# Altium PCB wulpus_pro_acq.PcbDoc (part 2 of 3) (continued)
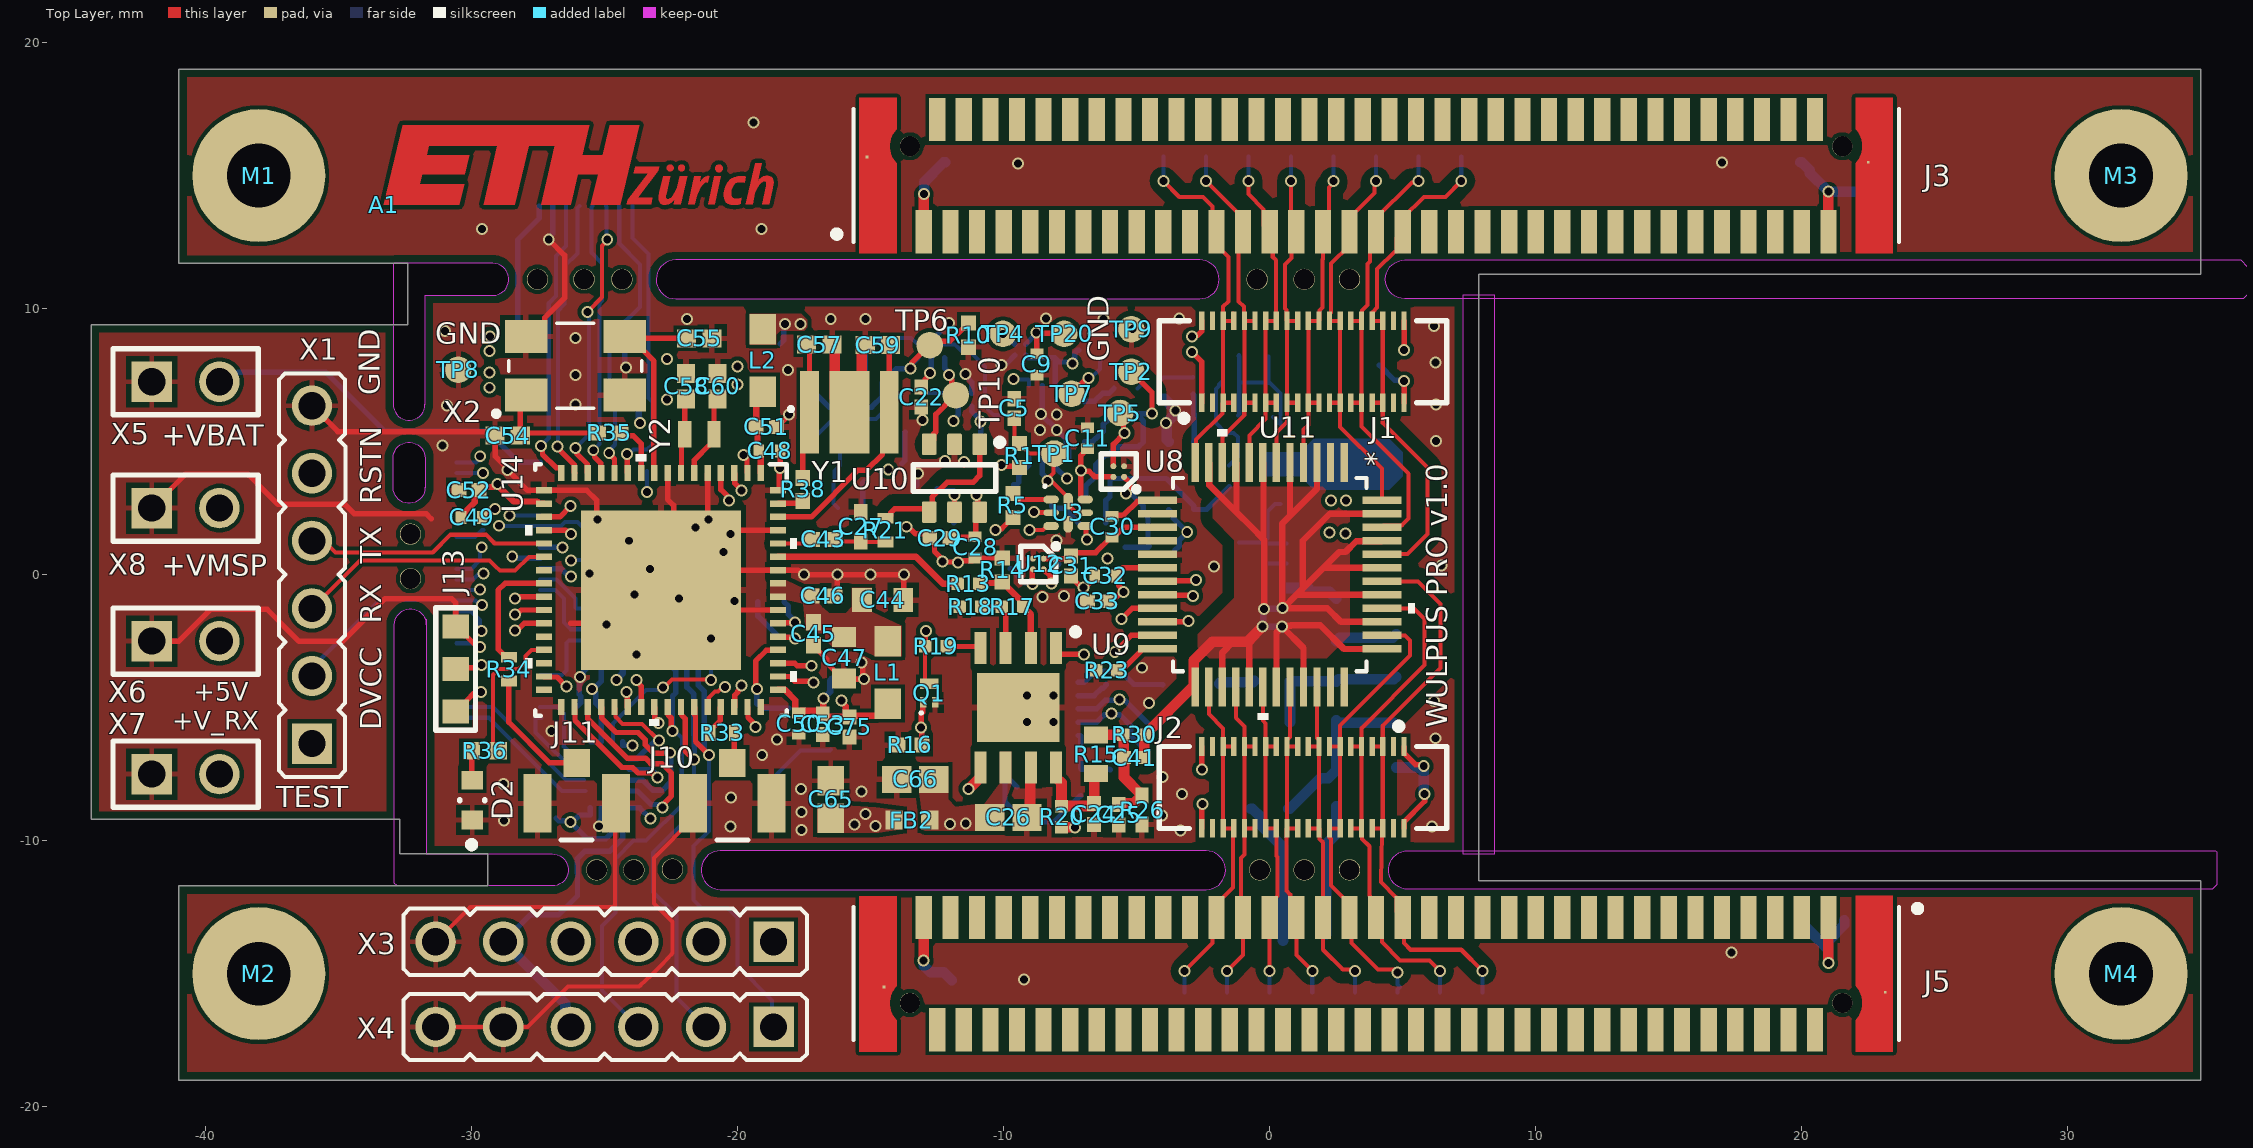
[diagram p0: Top Layer view]
## Nets (pads, with @x,y where several pads share a name; then routed paths per layer and width w, separated by ;. In a path a pad name is that pad's centre, name@x,y a point inside that pad or via, vN(x,y) a via of type N, cw(c..) or ccw(c..) an arc to the next point about the centre after c; other vN are vias at no path point) (continued)
  Top Layer w0.4: v1(-13.008,-14.508) -13,-14.5 J5.35@-13,-12.89 ; J3.1@-13,12.89 v1(-13,14.3) ; v1(21,-14.6) J5.1@21,-12.89 ; J3.35@21,12.89 v1(21,14.4)
  Layer 4 w0.4: v1(-13.008,-14.508) -7.852,-14.508 -6.343,-13 -0.2,-13 0.5,-12.3 0.5,-9.6 -0.475,-8.625 v1(-2.525,-8.625) ; v1(-13,14.3) -6.9,14.3 -5.6,13 -0.5,13 0.5,12 0.5,9.8 -0.35,8.95 v1(-2.925,8.95) ; v1(5.05,8.45) 4.228,9.272 2.962,9.272 2.15,10.084 2.15,12.15 3,13 14.4,13 15.8,14.4 v1(21,14.4) ; v1(5.825,-8.25) 3.25,-8.25 2.15,-9.35 2.15,-12.15 3,-13 13.875,-13 15.75,-14.875 20.725,-14.875 v1(21,-14.6)
  Bottom Layer w0.203: TP13.1@4.125,7.875 4.694,7.306 5.019,7.306 v1(5.05,7.275)
  Bottom Layer w0.4: v1(-13.008,-14.508) -12.999,-14.518 -12.999,-14.697 -12.749,-14.947 -12.254,-14.947 C36.1@-11.951,-15.25 ; v1(-13,14.3) -12.99,14.31 -12.99,14.76 -12.25,15.5 C35.1@-12.201,15.5 ; J7.2@4.75,-7.25 5.726,-7.25 5.776,-7.2 v1(5.79,-7.2) 5.79,-8.201 5.825,-8.236 v1(5.825,-8.25) ; C37.1@19.926,-13.075 19.975,-13.075 20.99,-14.09 ; C34.1@19.951,15.5 20,15.5 20.303,15.197 20.303,15.097 v1@20.99,14.41 ; v1(21,-14.6) 20.99,-14.59 20.99,-14.09 ; v1(21,14.4) 21.01,14.39 22.41,14.39 TP17.1@22.5,14.3 ; TP16.1@21.6,-13 21.6,-13.162 20.99,-13.772 20.99,-14.09
BSL_UART_RX: U14.22 X1.3 | length 9.8
  Top Layer w0.152: X1.3@-36,-1.27 -34.195,0.535 -29.322,0.535 -29.099,0.312 -28.937,0.15 -28.366,0.15 -27.846,0.67 U14.22@-27.28,0.67
BSL_UART_TX: U14.21 X1.4 | length 9.3
  Top Layer w0.152: X1.4@-36,1.27 -35.738,1.008 -35.283,1.008 -35.114,0.84 -31.46,0.84 -30.8,1.5 -29.451,1.5 -29.167,1.216 -29.167,1.199 -29.139,1.17 U14.21@-27.28,1.17
BUF_OUT: R21.1 U10.1 U10.4 | length 5.6
  Top Layer w0.203: R21.1@-14.45,2.125 -14.35,2.125 -14.252,2.223 -14.252,2.323 -14.1,2.475 -12.8,2.475 -12.689,2.586 -12.689,2.91 -12.119,3.48 -11.14,3.48 -10.9,3.72 U10.1@-10.9,4.9
CH0_IN: C43.2 U14.60 | length 1.3
  Top Layer w0.152: U14.60@-18.48,1.17 -17.358,1.17 C43.2@-17.204,1.325
CH0_OUT: R13.1 U14.59 | length 7.2
  Top Layer w0.24: U14.59@-18.48,0.67 -13.295,0.67 -12.281,-0.344 -11.733,-0.344 R13.1@-11.727,-0.35
CH1_OUT: R32.1 U14.54 | length 1.6
  Top Layer w0.203: U14.54@-18.48,-1.83 -18.465,-1.815 -17.865,-1.815 v1(-17.85,-1.8)
  Bottom Layer w0.203: R32.1@-18.25,-1.025 -18.092,-1.183 -18.092,-1.491 -17.85,-1.733 v1(-17.85,-1.8)
CH_0: J1.5 J1.6 J1.7 J1.8 J3.12 J4.1 U11.12 | length 14.6
  Top Layer w0.152: v1(-4,14.8) -3.4,14.2 -2.5,14.2 -2.144,13.844 -2.144,12.524 -1.552,11.932 -1.552,10.273 -1.75,10.075 J1.6@-1.75,9.54 ; U11.12@-2.794,4.216 -2.763,4.247 -2.763,5.075 -1.774,6.064 -1.774,6.436 J1.5@-1.75,6.46 ; J1.8@-1.374,9.814 -1.35,9.79 J1.8@-1.35,9.54 J1.6@-1.75,9.54 ; J1.7@-1.35,6.46 J1.5@-1.75,6.46 ; J1.5@-1.75,6.46 J1.6@-1.75,9.54
  Bottom Layer w0.152: v1(-4,14.8) J4.1@-4,15.714
CH_1: J1.9 J1.10 J1.11 J1.12 J3.13 J4.3 U11.10 | length 13.4
  Top Layer w0.152: v1(-2.4,14.8) -1.229,13.629 -1.229,13.116 J3.13@-1.001,12.889 ; U11.10@-1.778,4.216 -1.778,5.176 -0.956,5.998 -0.956,6.454 J1.9@-0.95,6.46 ; J3.13@-1,12.89 -1.175,12.715 -1.175,10.275 -0.974,10.074 -0.974,9.564 J1.10@-0.95,9.54 ; J1.11@-0.55,6.46 J1.9@-0.95,6.46 ; J1.12@-0.55,9.54 J1.10@-0.95,9.54 ; J1.9@-0.95,6.46 J1.10@-0.95,9.54
  Bottom Layer w0.152: v1(-2.4,14.8) J4.3@-2.4,15.714
CH_2: J1.13 J1.14 J1.15 J1.16 J3.14 J4.5 U11.8 | length 13
  Top Layer w0.152: v1(-0.8,14.8) -0.8,14.3 -0.229,13.729 -0.229,13.119 0.114,12.776 0.114,11.936 0.232,11.818 0.232,9.558 J1.16@0.25,9.54 J1.14@-0.15,9.54 J1.13@-0.15,6.46 ; U11.8@-0.762,4.216 -0.762,5.235 -0.15,5.847 J1.13@-0.15,6.46 ; J1.15@0.25,6.46 J1.13@-0.15,6.46
  Bottom Layer w0.152: v1(-0.8,14.8) J4.5@-0.8,15.714
CH_3: J1.17 J1.18 J1.19 J1.20 J3.15 J4.7 U11.6 | length 12.8
  Top Layer w0.152: U11.6@0.254,4.216 0.254,5.343 0.65,5.739 J1.17@0.65,6.46 ; v1(0.8,14.8) 0.8,13.09 J3.15@1,12.89 0.825,12.715 0.825,11.9 0.576,11.651 0.576,10.001 0.626,9.951 0.626,9.564 J1.18@0.65,9.54 ; J1.19@1.05,6.46 J1.17@0.65,6.46 ; J1.20@1.05,9.54 J1.18@0.65,9.54 ; J1.17@0.65,6.46 J1.18@0.65,9.54
  Bottom Layer w0.152: v1(0.8,14.8) J4.7@0.8,15.714
CH_4: J1.21 J1.22 J1.23 J1.24 J3.16 J4.9 U11.4 | length 12.6
  Top Layer w0.152: U11.4@1.27,4.216 1.27,5.451 1.45,5.631 J1.21@1.45,6.46 ; J1.23@1.85,6.46 J1.21@1.45,6.46 ; v1(2.4,14.8) 2.4,14.719 2.229,14.548 2.229,13.119 J3.16@2,12.89 2,11.865 1.98,11.845 1.98,10.04 1.874,9.934 1.874,9.564 J1.24@1.85,9.54 J1.22@1.45,9.54 J1.21@1.45,6.46
  Bottom Layer w0.152: v1(2.4,14.8) J4.9@2.4,15.714
CH_5: J1.25 J1.26 J1.27 J1.28 J3.17 J4.11 U11.48 | length 15.1
  Top Layer w0.152: J1.25@2.25,6.46 J1.27@2.65,6.46 ; v1(4,14.8) 3.946,14.746 3.946,14.346 3,13.4 J3.17@3,12.89 3,12.38 2.311,11.691 2.311,9.851 2.25,9.79 J1.26@2.25,9.54 2.311,9.54 J1.28@2.65,9.54 J1.27@2.65,6.46 ; U11.48@4.216,2.794 4.216,3.985 2.65,5.551 J1.27@2.65,6.46
  Bottom Layer w0.152: v1(4,14.8) J4.11@4,15.714
CH_6: J1.29 J1.30 J1.31 J1.32 J3.18 J4.13 U11.46 | length 17.3
  Top Layer w0.152: J1.29@3.05,6.46 J1.31@3.45,6.46 ; J1.30@3.05,9.54 J1.32@3.45,9.54 ; U11.46@4.216,1.778 4.28,1.841 4.962,1.841 5.225,2.104 5.225,3.792 3.45,5.567 J1.31@3.45,6.46 ; v1(5.6,14.8) 5.543,14.743 5.343,14.743 4,13.4 J3.18@4,12.89 3.771,12.661 3.771,11.771 3.677,11.677 3.677,10.136 3.474,9.934 3.474,9.564 J1.32@3.45,9.54 ; J1.31@3.45,6.46 J1.32@3.45,9.54
  Bottom Layer w0.152: v1(5.6,14.8) J4.13@5.6,15.714
CH_7: J1.33 J1.34 J1.35 J1.36 J3.19 J4.15 U11.44 | length 19.6
  Top Layer w0.152: J1.33@3.85,6.46 J1.35@4.25,6.46 ; U11.44@4.216,0.762 4.229,0.775 5.175,0.775 5.925,1.525 5.925,4.025 4.25,5.7 J1.35@4.25,6.46 ; v1(7.2,14.8) 6.6,14.2 5.8,14.2 5,13.4 J3.19@5,12.89 4.771,12.661 4.771,12.151 4.701,12.151 4.038,11.488 4.038,10.039 3.874,9.874 3.874,9.564 J1.34@3.85,9.54 J1.36@4.25,9.54 J1.35@4.25,6.46
  Bottom Layer w0.152: v1(7.2,14.8) J4.15@7.2,15.714
CH_8: J2.5 J2.6 J2.7 J2.8 J5.17 J6.1 U11.42 | length 21.5
  Top Layer w0.152: J2.8@3.85,-9.54 4.225,-9.54 4.225,-9.756 4.181,-11.491 4.181,-11.556 4.771,-12.146 4.771,-12.661 5.044,-12.934 5.044,-13.844 5.3,-14.1 7.2,-14.1 v1(8,-14.9) ; J2.7@3.85,-6.46 J2.5@4.25,-6.46 ; U11.42@4.216,-0.254 5.579,-0.254 6.425,-1.1 6.425,-3.505 4.25,-5.68 J2.5@4.25,-6.46 ; J2.6@4.25,-9.54 J2.5@4.25,-6.46
  Bottom Layer w0.152: J6.1@8,-15.714 v1(8,-14.9)
CH_9: J2.9 J2.10 J2.11 J2.12 J5.18 J6.3 U11.40 | length 19.5
  Top Layer w0.152: J2.12@3.05,-9.54 J2.10@3.45,-9.54 ; J2.11@3.05,-6.46 J2.9@3.45,-6.46 ; U11.40@4.216,-1.27 5.42,-1.27 5.825,-1.675 5.825,-3.4 3.45,-5.775 J2.9@3.45,-6.46 ; v1(6.4,-14.9) 6,-14.5 4.9,-14.5 4.214,-13.814 4.214,-13.104 J5.18@4,-12.89 4,-12.38 3.771,-12.151 3.771,-12.083 3.75,-12.062 3.75,-10.21 3.474,-9.934 3.474,-9.564 J2.10@3.45,-9.54 ; J2.10@3.45,-9.54 J2.9@3.45,-6.46
  Bottom Layer w0.152: J6.3@6.4,-15.714 v1(6.4,-14.9)
CH_10: J2.13 J2.14 J2.15 J2.16 J5.19 J6.5 U11.38 | length 17.8
  Top Layer w0.152: J2.15@2.25,-6.46 J2.13@2.65,-6.46 ; U11.38@4.216,-2.286 5.087,-2.287 5.275,-2.475 5.275,-3.042 2.65,-5.667 J2.13@2.65,-6.46 ; v1(4.8,-14.951) 4.8,-14.9 4.743,-14.843 4.065,-14.843 3.066,-13.844 3.066,-12.956 J5.19@3,-12.89 3,-12.38 2.302,-11.682 2.302,-9.935 2.25,-9.882 J2.16@2.25,-9.54 J2.14@2.65,-9.54 J2.13@2.65,-6.46
  Bottom Layer w0.152: J6.5@4.8,-15.714 4.8,-15.6 4.9,-15.5 4.8,-15.4 v1(4.8,-14.951)
CH_11: J2.17 J2.18 J2.19 J2.20 J5.20 J6.7 U11.34 | length 13.1
  Top Layer w0.152: J2.20@1.45,-9.54 J2.18@1.85,-9.54 ; J2.19@1.45,-6.46 J2.17@1.85,-6.46 ; U11.34@1.778,-4.216 1.778,-6.138 1.85,-6.21 J2.17@1.85,-6.46 ; v1(3.2,-14.9) 3.146,-14.846 2.746,-14.846 2,-14.1 2,-10.06 1.874,-9.934 1.874,-9.564 J2.18@1.85,-9.54 ; J2.18@1.85,-9.54 J2.17@1.85,-6.46
  Bottom Layer w0.152: J6.7@3.2,-15.714 v1(3.2,-14.9)
CH_12: J2.21 J2.22 J2.23 J2.24 J5.21 J6.9 U11.32 | length 12.8
  Top Layer w0.152: U11.32@0.762,-4.216 0.762,-6.098 0.65,-6.21 J2.23@0.65,-6.46 ; J2.22@1.05,-9.54 J2.24@0.65,-9.54 ; J2.21@1.05,-6.46 J2.23@0.65,-6.46 ; v1(1.6,-14.9) 1,-14.3 J5.21@1,-12.89 0.771,-12.661 0.771,-12.021 0.624,-11.874 0.624,-9.903 0.626,-9.901 0.626,-9.564 J2.24@0.65,-9.54 ; J2.24@0.65,-9.54 J2.23@0.65,-6.46
  Bottom Layer w0.152: J6.9@1.6,-15.714 v1(1.6,-14.9)
CH_13: J2.25 J2.26 J2.27 J2.28 J5.22 J6.11 U11.30 | length 12.5
  Top Layer w0.152: U11.30@-0.254,-4.216 -0.254,-5.489 -0.15,-5.593 J2.27@-0.15,-6.46 ; v1(0,-14.9) 0,-12.38 0.301,-12.079 0.301,-10.623 0.25,-10.571 J2.26@0.25,-9.54 J2.28@-0.15,-9.54 J2.27@-0.15,-6.46 ; J2.25@0.25,-6.46 J2.27@-0.15,-6.46
  Bottom Layer w0.152: J6.11@0,-15.714 v1(0,-14.9)
CH_14: J2.29 J2.30 J2.31 J2.32 J5.23 J6.13 U11.28 | length 12.8
  Top Layer w0.152: v1(-1.6,-14.9) -1,-14.3 J5.23@-1,-12.89 -1.081,-12.809 -1.081,-10.653 -0.95,-10.522 J2.32@-0.95,-9.54 ; U11.28@-1.27,-4.216 -1.27,-5.381 -0.95,-5.701 J2.31@-0.95,-6.46 ; J2.30@-0.55,-9.54 J2.32@-0.95,-9.54 ; J2.29@-0.55,-6.46 J2.31@-0.95,-6.46 ; J2.32@-0.95,-9.54 J2.31@-0.95,-6.46
  Bottom Layer w0.152: J6.13@-1.6,-15.714 v1(-1.6,-14.9)
CH_15: J2.33 J2.34 J2.35 J2.36 J5.24 J6.15 U11.26 | length 13.3
  Top Layer w0.152: v1(-3.2,-14.9) -2.144,-13.844 -2.144,-13.034 J5.24@-2,-12.89 -2,-12.38 -1.383,-11.763 -1.383,-9.903 -1.374,-9.894 -1.374,-9.564 J2.34@-1.35,-9.54 J2.36@-1.75,-9.54 J2.35@-1.75,-6.46 ; U11.26@-2.286,-4.216 -2.286,-5.241 -1.75,-5.777 J2.35@-1.75,-6.46 ; J2.33@-1.35,-6.46 J2.35@-1.75,-6.46
  Bottom Layer w0.152: J6.15@-3.2,-15.714 v1(-3.2,-14.9)
DATA_READY: U14.42 U18.11 X4.2 | length 20.3
  Top Layer w0.203: U14.42@-22.13,-4.98 -22.112,-4.998 -22.112,-5.274 -21.972,-5.414 -21.972,-6.629 v1(-21.648,-6.953)
  Bottom Layer w0.152: v1@-21.612,-6.953 -21.648,-6.989 -21.648,-8.923 -23.173,-10.448 -23.173,-11.93 -22.3,-12.802 -22.3,-15.89 X4.2@-21.19,-17 X4.2@-21.018,-17.172
  Bottom Layer w0.203: U18.11@-24.08,-2.075 -24.075,-2.08 -23.195,-2.08 -21.907,-3.368 -21.907,-4.229 -21.648,-4.488 -21.648,-6.017 -21.635,-6.03 -21.635,-6.676 -21.648,-6.689 v1(-21.648,-6.953)
DVCC1: C32.1 C33.2 C49.2 C50.2 C52.1 C53.1 C70.1 C73.1 C75.1 FB3.2 J12.37 L1.1 L2.1 PJ1.8 R37.1 TP19.1 U11.18 U14.18 U14.49 U17.13 U18.13 X1.2 X3.5 X4.4 | length 43.9
  Top Layer w0.203: C33.2@-6.095,-1 -6.075,-1 -5.917,-0.842 -5.808,-0.842 -5.798,-0.831 -5.742,-0.831 -5.611,-0.7 -5.55,-0.7 v1(-5.5,-0.65) -5.5,-0.583 -5.677,-0.407 -5.677,-0.148 C32.1@-5.775,-0.05 -5.775,0 -5.521,0.254 U11.18@-4.216,0.254
  Top Layer w0.24: C49.2@-30.4,2.15 -30.4,2.2 -29.88,2.72 -29.88,3.035 -29.74,3.175 C52.1@-29.72,3.175 -29.6,3.295 -29.196,3.295 -29.082,3.409 v1(-29.025,3.409) ; v1@-29.025,3.4 -29.025,3.356 -28.419,2.75 -27.539,2.75 -27.46,2.671 U14.18@-27.28,2.671 ; U14.49@-18.48,-4.331 -18.219,-4.331 -17.83,-4.72 -17.83,-5.12 -17.75,-5.2 C50.2@-17.7,-5.2 -17.62,-5.12 -16.775,-5.12 v1(-16.775,-4.65) ; C53.1@-16.8,-5.245 -16.7,-5.345 C75.1@-15.8,-5.345 ; v1(-16.1,-4.725) -16.1,-4.782 -15.94,-4.942 -15.94,-5.205 C75.1@-15.8,-5.345 ; L1.1@-14.35,-4.85 -14.35,-4.925 -14.73,-5.305 -15.76,-5.305 C75.1@-15.8,-5.345
  Bottom Layer w0.152: X1.2@-36,-3.81 -36,-3.5 -33.458,-0.958 -31.217,-0.958 -31.203,-0.972 -31.117,-0.972 -31.109,-0.98 J12.37@-30.575,-0.98 -29.847,-0.98 -29.682,-1.146 v1(-29.601,-1.146)
  Bottom Layer w0.203: X3.5@-28.81,-13.8 -27.798,-12.789 -26.739,-12.789 -26.021,-12.071 -26.021,-11.219 -26.025,-11.216 -26.025,-10.671 -25.753,-10.4 -25.467,-10.4 -25.466,-10.399 -24.884,-10.399 -24.883,-10.4 -24.808,-10.4 -24.325,-9.917 U17.13@-24.325,-8.77 -23.68,-8.77 v1(-23.282,-9.168) ; FB3.2@-28.475,8.7 -28.272,8.903 -28.272,12.578 -27.45,13.4 PJ1.8@-27.45,13.85 ; TP19.1@-18.408,8.669 -18.272,8.806 -18.272,9.378 v1(-18.225,9.425)
  Bottom Layer w0.24: v1(-24.559,-3.955) -24.559,-3.952 -24.325,-3.717 U18.13@-24.325,-3.12 ; R37.1@-23.798,6.3 -23.717,6.219 -23.717,5.74 v1(-23.677,5.7) ; v1(-16.775,-4.65) -16.525,-4.4 -16.525,-3.98 C73.1@-16.45,-3.905
  Bottom Layer w0.4: X3.5@-28.81,-13.8 -26.484,-16.126 -26.484,-16.786 X4.4@-26.27,-17
  other v1: -29.325,8.4 -29.304,8.958 -17.629,9.42
ENV_DET_EN: R10.1 TP6.1 U4.A2 U5.1 U7.A2 U14.25 | length 31.7
  Top Layer w0.203: v1(-28.366,-0.903) -28.366,-0.9 -28.299,-0.9 -28.229,-0.83 U14.25@-27.28,-0.83 ; v1(-13.503,7.75) -13.456,7.797 -13.456,7.946 TP6.1@-12.777,8.625 -12.625,8.778 -12.021,8.778 -11.715,9.083 -11.696,9.083 -11.327,9.452 R10.1@-11.325,9.452
  Layer 3 w0.152: v1(-28.366,-0.903) -28.366,-0.9 -25.6,-0.9 -21.7,3 -21.7,3.925 -19.975,5.65 -17.375,5.65 -15.275,7.75 v1(-13.503,7.75) -13.503,7.669 -13.25,7.416 -13.25,7.155 v1(-11.877,5.782)
  Bottom Layer w0.203: U5.1@-17.075,7.166 -17.075,6.809 -16.561,6.294 -14.962,6.294 -14.564,6.692 -14.564,7.211 -14.033,7.742 -13.511,7.742 v1(-13.503,7.75) ; v1@-13.428,7.941 -13.225,8.144 U4.A2@-13.225,8.15 ; v1(-11.877,5.782) -11.877,5.849 -11.704,6.022 -11.704,6.321 U7.A2@-11.7,6.325 ; v1(-13.503,7.75) -13.475,7.75 v1(-13.503,7.75)
ENV_OUT: TP3.1 U4.A1 U5.3 | length 3.5
  Bottom Layer w0.152: U5.3@-15.175,7.166 -15.175,8.1 -15.175,8.325 TP3.1@-14.6,8.9 -13.475,8.9 U4.A1@-13.225,8.65
FILTER_SHDN_N: R22.1 TP11.1 U10.5 U14.27 | length 22.7
  Top Layer w0.203: v1(-28.366,-2.103) -28.366,-2.1 -28.299,-2.1 v1@-28.179,-1.979 ; -28.178,-1.979 -28.029,-1.83 U14.27@-27.28,-1.83 ; U10.5@-11.85,2.35 v1(-11.85,3)
  Layer 3 w0.152: v1(-28.366,-2.103) -28.286,-2.103 -28.133,-2.256 -24.742,-2.256 -20.143,2.344 -12.506,2.344 v1(-11.85,3)
  Bottom Layer w0.203: R22.1@-12.498,3.225 -12.42,3.147 v1@-11.872,3.147 ; TP11.1@-11.875,1.95 -11.85,1.975 -11.85,3.075 -11.825,3.1 v1@-11.872,3.147 ; v1(-11.85,3) -11.85,3.125 v1@-11.872,3.147
GND: C2.1 C3.1 C5.2 C8.2 C9.1 C11.1 C14.2 C15.2 C16.2 C17.1 C18.1 C19.1 C20.2 C21.1 C22.1 C23.1 C24.1 C25.1 C26.2 C27.1 C28.2 C29.1 C30.2 C31.1 C32.2 C33.1 C34.2 C35.2 C36.2 C37.2 C38.2 C39.2 C40.1 C44.1 C45.1 C46.2 C47.2 C48.1 C49.1 C50.1 C51.2 C52.2 C53.2 C54.1 C55.1 C56.2 C57.1 C58.1 C59.1 C60.1 C61.2 C62.2 C63.2 C64.2 C65.2 C66.2 C68.2 C69.2 C70.2 C71.2 C72.2 C73.2 C74.2 C75.2 C76.2 D1.3 D2.1 J4.2 J4.4 J4.6 J4.8 J4.10 J4.12 J4.14 J4.16 J6.2 J6.4 J6.6 J6.8 J6.10 J6.12 J6.14 J6.16 J7.3 J9.1 J10.2 J10.3 J11.2 J11.3 J12.18 J12.33 J12.43 J13.1 PJ1.7 Q1.2 R4.1 R10.2 R11.2 R12.2 R14.1 R16.1 R18.1 R22.2 R23.1 R26.2 R28.1 R29.1 R31.2 R32.2 R40.2 R43.2 R44.2 R47.1 TP8.1 TP9.1 TP14.1 TP15.1 U1.5 U1.14 U1.17 U2.2 U3.4 U4.B1 U5.2 U6.B1 U7.B1 U8.B1 U9.7 U9.9 U10.2 U11.13 U11.17 U12.B1 U14.5 U14.8 U14.17 U14.33 U14.48 U14.55 U14.58 U14.61 U14.64 U14.65 U15.11 U16.B1 U17.8 U17.15 U18.5 U18.8 U18.16 X1.6 X2.2 X2.4 X3.6 X4.5 X4.6 X5.1 X6.1 X7.1 X8.1 Y1.2 | length 141.5
  Top Layer w0.152: X4.6@-31.35,-17 X4.5@-28.81,-17 -27.9,-17 -26.373,-15.473 -23.758,-15.473 -23.701,-15.473 -23.658,-15.436 ccw(c-31.843,-6.051) -22.489,-14.271 ccw(c-22.604,-14.171) -22.484,-14.265 -22.451,-14.224 -22.451,-13.049 -23.144,-12.356 -23.144,-10.644 -21.675,-9.175 J10.2@-21.675,-8.6 ; X3.6@-31.35,-13.8 -30.05,-12.5 -24.695,-12.5 -24.606,-12.411 -24.606,-8.631 J11.3@-24.575,-8.6
  Top Layer w0.203: X6.1@-42.02,-2.5 -41,-2.5 -39.807,-1.307 -37.681,-1.307 -36.481,-2.507 -34.857,-2.507 -33.25,-0.9 -30.75,-0.9 -30.6,-1.05 J13.1@-30.6,-1.95 -30.251,-2.299 -30.201,-2.299 -29.831,-2.669 -29.732,-2.669 v1(-29.684,-2.716) ; X8.1@-42.02,2.5 -40.745,3.775 -38.413,3.775 -37.277,2.638 -34.763,2.638 -34.415,2.29 -31.711,2.29 -31.521,2.1 ; X1.6@-36,6.35 -35.025,5.375 -29.279,5.375 -29.107,5.204 -29.107,4.449 -28.65,3.992 v1(-28.65,3.925) -27.896,3.171 U14.17@-27.28,3.171 -25.671,3.171 -25.3,2.8 -25.3,2.101 v1(-25.275,2.076) ; C52.2@-30.49,2.99 C52.2@-30.48,3 ; C49.1@-29.6,2.15 -29.6,2.2 -29.502,2.298 -29.452,2.298 -29.334,2.416 -29.172,2.416 v1(-29.125,2.464) ; X2.4@-27.95,8.95 -27.775,8.95 -27.251,9.473 -27.251,9.648 -26.5,10.4 -26.5,12 v1(-27.1,12.6) ; -26.275,-1.825 -24.975,-1.825 v1(-24.925,-1.875) ; U14.65@-23.29,0.209 v1(-23.29,0.215) ; U14.8@-22.63,3.82 -22.63,2.83 -22.406,2.606 -22.406,2.319 -21.862,1.775 v1(-21.575,1.775) ; U14.5@-21.13,3.82 -21.13,2.105 v1(-21.1,2.075) ; v1(-20.525,0.85) -20.525,0.714 -19.981,0.17 U14.58@-18.48,0.17 -17.737,0.17 -17.567,0 v1(-17.5,0) v1(-16.25,0) ; v1(-20.275,1.525) -20.129,1.671 U14.61@-18.48,1.671 ; v1(-20.12,-0.995) -20.12,-1.192 -19.981,-1.33 U14.55@-18.48,-1.33 ; C51.2@-18.545,5.55 -18.525,5.55 -18.075,6 v1(-18.075,6.026) ; U14.64@-18.48,3.171 -18.458,3.171 -18.44,3.189 -18.44,3.96 v1(-18.4,4) C48.1@-18.4,4.65 ; C45.1@-17.15,-2.654 -17.15,-2.675 -16.65,-3.175 -16.65,-3.325 -16.075,-3.9 C47.2@-16,-3.9 -15.975,-3.925 v1(-15.25,-3.925) -15.297,-3.878 -15.297,-3.42 -15.35,-3.367 v1(-15.35,-3.3) ; C46.2@-16.371,-0.8 -16.25,-0.679 v1(-16.25,0) ; C44.1@-13.775,-0.95 -13.75,-0.925 v1(-13.75,0) v1(-15,0) v1(-16.25,0) ; v1(-13.644,1.8) -13.577,1.8 -13.31,1.533 -12.938,1.533 C29.1@-12.78,1.375 -12.76,1.375 -12.602,1.217 -12.602,0.868 -12.3,0.567 v1(-12.3,0.5) -12.274,0.474 -11.751,0.474 v1(-11.725,0.449) -11.658,0.449 -11.58,0.527 -11.173,0.527 C28.2@-11.075,0.625 C28.2@-11.075,0.625 -10.051,0.626 R14.1@-10.05,0.627 ; C31.1@-7.475,-0.055 -7.475,-0.075 -7.122,-0.428 -7.047,-0.428 v1(-7,-0.475) -6.95,-0.475 -6.575,-0.1 C32.2@-6.575,-0.05 ; v1@-6.953,-0.522 -6.953,-0.902 C33.1@-6.855,-1 ; C30.2@-5.925,2.2 -5.886,2.239 -5.49,2.239 -4.973,2.756 -4.255,2.756 U11.13@-4.216,2.794
  Top Layer w0.4: C57.1@-16.446,8.65 -16.349,8.553 -16.349,6.649 Y1.2@-15.8,6.1 -15.34,6.56 -15.34,8.489 C59.1@-15.204,8.625 ; C26.2@-9.124,-9.125 -9,-9.001 -9,-7.275 U9.7@-8.975,-7.25
  Bottom Layer w0.152: J12.33@-30.575,-2.58 -29.901,-2.58 -29.765,-2.716 v1(-29.684,-2.716) ; J12.43@-30.575,1.42 -29.866,1.42 -29.611,1.675 -29.55,1.675 ; v1(-25.576,0.05) -25.564,0.038 -25.512,0.038 -25.512,-0.618 U18.5@-25.525,-0.63
  Bottom Layer w0.203: v1(-27.1,12.6) -27.1,12.667 -26.95,12.817 PJ1.7@-26.95,13.85 ; C76.2@-26.005,-4.925 -25.897,-4.817 -25.897,-4.56 -25.954,-4.504 -25.954,-4.109 -25.897,-4.052 -25.897,-3.997 v1@-25.851,-3.951 ; v1(-25.926,-3.852) -25.926,-3.881 -25.884,-3.923 -25.882,-3.923 -25.866,-3.939 v1@-25.864,-3.939 ; v1@-25.863,-3.939 v1@-25.851,-3.951 ; U18.16@-25.525,-3.12 -25.525,-3.385 -25.803,-3.663 -25.803,-3.903 v1@-25.851,-3.951 ; v1(-25.214,-9.458) -25.166,-9.411 -25.166,-9.248 -25.133,-9.215 -25.133,-8.778 U17.15@-25.125,-8.77 ; U17.8@-24.325,-6.28 -24.325,-6.411 -24.317,-6.419 v1(-23.953,-6.419) ; U18.8@-24.325,-0.63 -24.325,-0.742 -24.317,-0.75 v1(-23.875,-0.75) ; C56.2@-24.3,8.571 -24.236,8.508 -24.236,7.824 v1(-24.189,7.777) ; R47.1@-23.823,0.5 -23.823,0.498 -23.69,0.365 -23.44,0.365 v1(-23.29,0.215) ; R22.2@-13.402,3.225 -13.267,3.36 -13.267,3.759 v1(-13.22,3.806) ; U4.B1@-12.725,8.65 -12.725,8.797 -12.589,8.932 v1(-12.057,9.464) ; v1(-11.442,7.542) -11.442,7.475 -11.204,7.238 -11.204,6.829 U7.B1@-11.2,6.825 U7.B1@-11.196,6.829 ; v1(-10.075,7.875) -10.028,7.922 -9.903,7.922 U6.B1@-9.575,8.25 ; v1(-8.606,6.031) -8.325,5.75 U1.17@-8.303,5.75 U1.17@-8.005,5.452 ; U1.17@-8.553,6 U1.14@-8.553,7.103 ; v1(-8.005,5.43) U1.17@-8.005,5.452 ; U1.5@-7.553,4.397 -7.553,4.69 -7.655,4.792 -7.655,5.102 U1.17@-8.005,5.452
  Bottom Layer w0.4: C8.2@-4,6.6 -3.95,6.6 -3.56,6.21 -3.56,6.185 v1(-3.55,6.175) ; v1(-3.9,5.7) -3.9,5.686 -3.875,5.661 -3.875,5.075 U2.2@-3.8,5 ; v1@-3.894,5.7 -3.56,6.035 -3.56,6.152 -3.556,6.156 v1@-3.55,6.156 ; C38.2@-0.701,-8.8 -0.651,-8.8 -0.348,-9.103 -0.348,-9.402 0.5,-10.25 0.5,-13.75 ; 2.125,-13.513 2.125,-10.125 2.5,-9.75 C39.2@2.5,-8.701
  other v1: -9.244,-15.225 17.356,-14.2 -3.35,-9.625 -17.6,-9.6 -20.275,-9.475 6.106,-9.475 -28.775,-9.25 -4.05,-9.05 -17.594,-8.925 -20.25,-8.375 -3.3,-8.25 -15.35,-8.15 -17.619,-8.05 -28.8,-7.875 -4.025,-7.6 -19.075,-6.775 -18.519,-6.2 6.231,-6.15 -27,-5.875 -9.125,-5.548 -8.125,-5.548 -4.544,-4.825 6.181,-4.75 -9.125,-4.548 -8.125,-4.548 -4.8,-3.5 -23.8,-3 -20.997,-2.397 -22.197,-0.892 -8.541,-0.849 -7.725,-0.8 -2.1,0.3 6.456,0.35 -6.1,0.6 -24.089,1.273 -8.012,1.283 2.85,1.55 2.25,1.575 -11.495,4.243 -12.2,4.28 -31.1,4.85 6.256,5.025 -8.636,5.441 -13.045,5.81 -8.005,6.023 -30.925,6.35 -26.1,6.4 6.256,6.4 -26.1,7.5 -18.1,7.7 6.231,7.975 -26.1,8.9 -31,9.15 -5.15,9.225 6.181,9.35 -21.9,9.6 -16.5,9.6 -15.2,9.6 -6.25,9.6 -8.4,9.625 -3.4,9.625 -29.6,13 -19.1,13 -9.469,15.45 17.006,15.5 -19.4,17
HFXIN: C55.2 U14.9 X2.3 | length 7.8
  Top Layer w0.2: X2.3@-24.25,8.95 -24.18,8.88 -24.005,8.88 C55.2@-21.919,8.88
  Top Layer w0.203: X2.3@-24.005,8.88 -23.148,8.023 -23.148,3.838 U14.9@-23.13,3.82
HFXOUT: R35.2 U14.10 | length 2
  Top Layer w0.203: R35.2@-24.4,5.325 -24.289,5.214 -23.914,5.214 -23.63,4.93 U14.10@-23.63,3.82
HOST_LINK_RDY: U14.41 U18.12 X4.3 | length 18.9
  Top Layer w0.203: U14.41@-22.63,-4.98 -22.612,-4.998 -22.612,-5.273 -22.499,-5.386 ; -22.499,-5.387 -22.496,-5.39 -22.496,-5.823 v1(-22.448,-5.87)
  Bottom Layer w0.152: X4.3@-23.73,-17 -25.1,-15.63 -25.1,-13.2 -24.599,-12.699 -24.599,-10.689 -23.91,-10 -23.75,-10 -23.446,-10 -22.1,-8.654 -22.1,-7.073 ; v1(-22.448,-5.87) -22.368,-5.87 -22.099,-6.139 -22.099,-7.072
  Bottom Layer w0.203: U18.12@-24.08,-2.475 -24.072,-2.483 -23.467,-2.483 -22.326,-3.624 -22.326,-4.442 -22.448,-4.564 v1(-22.448,-5.87)
HOST_SPARE: U14.43 U18.9 X4.1 | length 21.4
  Top Layer w0.203: U14.43@-21.63,-4.98 -21.612,-4.998 -21.612,-5.27 -21.584,-5.297 -21.584,-6.266 v1(-21.075,-6.775)
  Bottom Layer w0.152: v1(-21.075,-6.775) -21.075,-9.3 -21.075,-9.629 -21.654,-10.208 -21.654,-12.221 -21.35,-12.525 -20.375,-12.525 -20,-12.9 -20,-14.7 -18.7,-16 X4.1@-18.7,-17
  Bottom Layer w0.203: U18.9@-24.08,-1.275 -24.072,-1.284 -23.341,-1.284 -21.497,-3.128 ; -21.486,-3.139 -21.486,-3.315 -21.485,-3.316 -21.485,-4.152 -21.259,-4.378 -21.259,-6.591 v1(-21.075,-6.775)
HOST_SPI_CLK: U14.36 U17.11 X3.3 | length 14.9
  Top Layer w0.203: U14.36@-25.13,-4.98 -25.112,-4.998 -25.112,-5.39 -24.567,-5.934 -23.742,-5.934 -23.476,-6.2 -23.476,-6.391 -23.16,-6.708 -22.547,-6.708 -22.547,-6.703 -22.546,-6.696 v1(-22.55,-6.695) v1(-22.55,-6.695)
  Layer 3 w0.152: X3.3@-23.7,-13.1 -24.6,-12.2 -24.6,-7.75 -23.558,-6.708 -22.547,-6.708 -22.547,-6.703 -22.546,-6.696 v1(-22.55,-6.695) v1(-22.55,-6.695)
  Bottom Layer w0.203: U17.11@-24.08,-7.725 -24.072,-7.733 -23.561,-7.733 -23.483,-7.812 -23.483,-7.815 -23.204,-8.094 -23.201,-8.094 -23.187,-8.108 -22.824,-8.108 -22.518,-7.802 -22.518,-6.737 -22.547,-6.708 -22.547,-6.703 -22.546,-6.696 v1(-22.55,-6.695) v1(-22.55,-6.695)
HOST_SPI_CS: U14.37 U17.9 X3.4 | length 14.3
  Top Layer w0.152: U14.37@-24.63,-4.98 -24.586,-5.024 -24.586,-5.343 -24.569,-5.36 -24.323,-5.607 -23.59,-5.607 -22.965,-6.232 v1(-22.951,-6.232)
  Layer 3 w0.152: X3.4@-26.27,-13.8 -26.27,-13.472 -26.049,-13.251 -26.049,-10.174 -25.625,-9.75 -25.625,-6.975 -24.4,-5.75 -23.444,-5.75 -23.432,-5.762 -23.432,-5.781 -23.168,-6.045 -23.148,-6.045 -22.957,-6.237 v1(-22.951,-6.232)
  Bottom Layer w0.203: U17.9@-24.08,-6.925 -24.072,-6.917 -23.777,-6.917 -23.15,-6.29 -22.998,-6.29 -22.951,-6.243 v1(-22.951,-6.232)
HOST_SPI_MISO: U14.35 U17.12 X3.1 | length 15
  Top Layer w0.203: U14.35@-25.63,-4.98 -25.628,-4.982 -25.628,-5.422 -24.154,-6.896 -23.471,-6.896 -23.263,-7.104 -22.846,-7.104 -22.493,-7.457 -22.493,-8.318 -22.85,-8.675 -22.83,-8.695 v1(-22.83,-8.745)
  Layer 3 w0.152: v1(-22.83,-8.745) -22.83,-9.095 -21.675,-10.25 -21.675,-12.15 -21.3,-12.525 -19.925,-12.525 X3.1@-18.65,-13.8
  Bottom Layer w0.203: U17.12@-24.08,-8.125 -24.072,-8.133 -23.767,-8.133 -23.26,-8.641 -23.001,-8.641 -22.896,-8.745 v1(-22.83,-8.745)
HOST_SPI_MOSI: U14.34 U17.10 X3.2 | length 13.8
  Top Layer w0.203: U14.34@-26.13,-4.98 -26.112,-4.998 -26.112,-5.488 -24.352,-7.248 -23.946,-7.248 -23.737,-7.457 -23.237,-7.457 -23.213,-7.481 -23.185,-7.481 -23.061,-7.605 -23.007,-7.605 v1(-23.007,-7.617)
  Layer 3 w0.152: v1(-23.007,-7.617) -23.053,-7.571 -23.596,-7.571 -23.8,-7.775 -23.8,-9.375 -23.175,-10 -23.175,-11.815 X3.2@-21.19,-13.8
  Bottom Layer w0.203: U17.10@-24.08,-7.325 -23.23,-7.325 -23.061,-7.494 -22.994,-7.494 -22.994,-7.605 v1(-23.007,-7.617)